# Altium PCB master.PcbDoc (part 8 of 10) (continued)
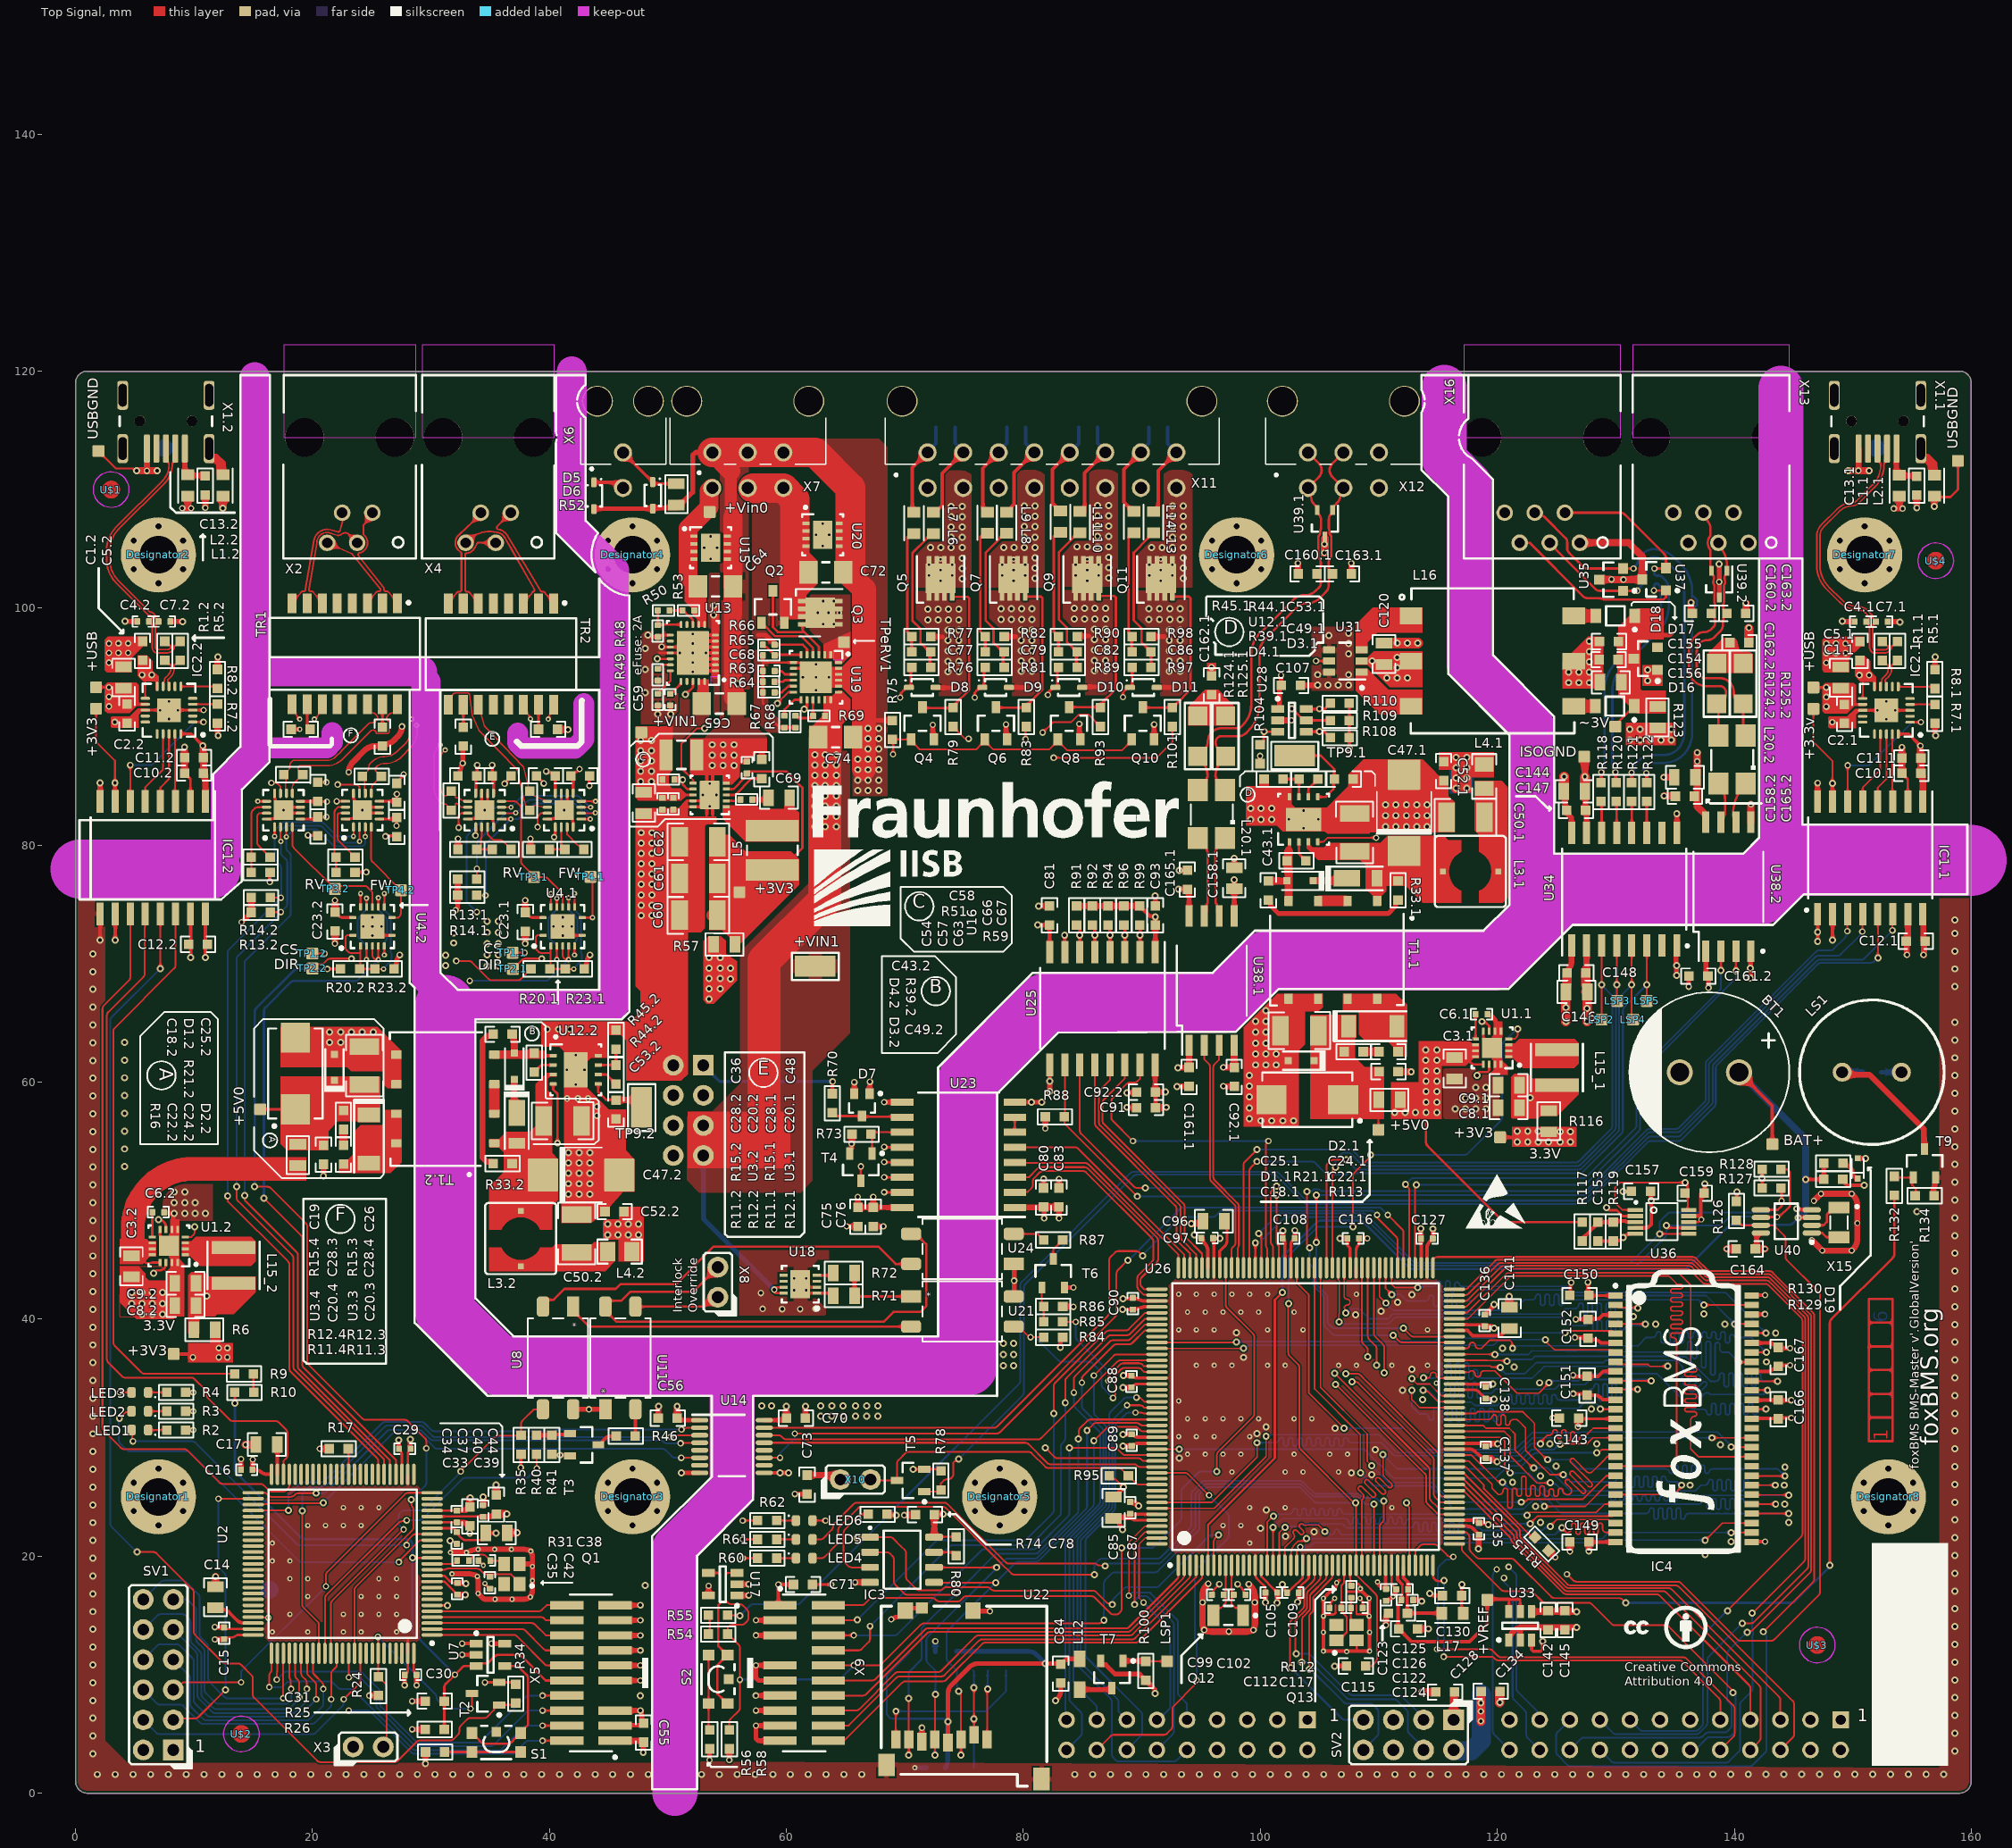
[diagram p0: Top Signal view]
## Nets (pads, with @x,y where several pads share a name; then routed paths per layer and width w, separated by ;. In a path a pad name is that pad's centre, name@x,y a point inside that pad or via, vN(x,y) a via of type N, cw(c..) or ccw(c..) an arc to the next point about the centre after c; other vN are vias at no path point) (continued)
  Bottom Signal w0.15: v1(86.801,14.591) 86.801,17.723 cw(c87.176,17.723) 86.911,17.988 87.457,18.534 cw(c87.722,18.269) 87.722,18.644 91.111,18.644 ccw(c91.111,19.019) 91.376,18.753 94.734,22.111 ccw(c94.468,22.376) 94.843,22.376 94.843,25.074 cw(c95.218,25.074) 94.953,25.339 95.347,25.733 cw(c95.612,25.467) 95.612,25.842 103.146,25.842 cw(c103.146,25.467) 103.413,25.731 104.518,24.626 ccw(c104.783,24.892) 104.783,24.517 v1(108.03,24.517) ; v1(102.387,41.326) 102.387,45.215 cw(c102.762,45.215) 102.497,45.48 104.692,47.674 cw(c104.956,47.409) 104.956,47.784 v1(107.827,47.784) ; v1(109.3,53.875) 117.245,53.875 ccw(c117.245,54.25) 117.51,53.985 120.29,56.765 ccw(c120.025,57.03) 120.4,57.03 120.4,63.095 cw(c120.775,63.095) 120.51,63.36 121.538,64.388 cw(c121.803,64.122) 121.731,64.49 v1(121.732,64.491)
  Bottom Signal w0.152: v4(56.069,9.568) 56.071,9.569 cw(c56.221,9.219) 56.222,9.6 64.347,9.6 ccw(c64.347,9.981) 64.616,9.712 65.642,10.737 ccw(c65.372,11.006) v4(65.69,10.796)
MCU_0_RTC_ALARM_OUT: U26.8
MCU_0_SWCLK: U26.137 X9.4 | length 44.5
  Top Signal w0.152: X9.4@63.535,14.591 65.816,14.591 ccw(c65.816,14.972) 65.954,14.616 v1(65.972,14.624) ; v1(82.575,32.05) 82.575,34.374 cw(c82.956,34.374) 82.687,34.644 86.965,38.922 cw(c87.234,38.653) 87.234,39.034 88.608,39.034 ccw(c88.608,39.415) 88.878,39.145 90.266,40.534 U26.137@91.072,40.534
  Bottom Signal w0.152: v1(65.972,14.624) 72.579,21.231 cw(c72.849,20.962) 72.849,21.343 80.023,21.343 ccw(c80.023,21.724) 80.293,21.454 82.463,23.625 ccw(c82.194,23.894) 82.575,23.894 v1(82.575,32.05)
MCU_0_SWDIO: U26.124 X9.2 | length 62.8
  Top Signal w0.152: X9.2@63.535,15.861 66.347,15.861 ccw(c66.347,16.241) 66.616,15.972 67.028,16.384 cw(c67.297,16.116) 67.297,16.496 72.283,16.496 cw(c72.283,16.116) 72.552,16.384 72.646,16.289 ccw(c72.915,16.558) 72.915,16.178 74.44,16.178 ccw(c74.44,16.558) 74.709,16.289 74.937,16.517 cw(c75.206,16.249) 75.206,16.629 76.688,16.629 cw(c76.688,16.249) 76.705,16.629 76.777,16.625 ccw(c76.794,17.005) 76.793,16.625 85.738,16.625 cw(c85.738,16.245) 86.006,16.514 87.312,15.208 ccw(c87.581,15.477) 87.581,15.097 87.837,15.097 ccw(c87.837,15.477) 88.106,15.208 88.172,15.274 ccw(c87.903,15.543) 88.283,15.543 v1(88.283,20.686) ; v1(96.335,27.14) 96.335,28.549 cw(c96.715,28.549) 96.446,28.818 99.387,31.758 ccw(c99.118,32.027) 99.498,32.027 99.498,38.493 ccw(c99.118,38.493) 99.386,38.762 97.184,40.965 cw(c97.453,41.233) 97.073,41.233 U26.124@97.073,44.334
  Bottom Signal w0.152: v1(88.283,20.686) 90.766,20.686 ccw(c90.766,21.066) 91.035,20.797 93.232,22.994 ccw(c92.963,23.263) 93.343,23.263 93.343,25.482 cw(c93.723,25.482) 93.455,25.751 94.732,27.029 cw(c95.001,26.76) 95.001,27.14 v1(96.335,27.14)
MCU_0_SWO: U26.161 X9.6 | length 37.6
  Top Signal w0.152: X9.6@63.535,13.321 v4(65.675,13.321) ; v1(83.872,29.139) 87.686,29.139 cw(c87.686,28.758) 87.956,29.027 cw(c87.688,28.756) 87.959,29.024 88.338,28.645 ccw(c88.607,28.915) 88.607,28.534 U26.161@91.072,28.534
  Bottom Signal w0.152: v4(65.675,13.321) 69.12,13.321 ccw(c69.12,13.702) 69.39,13.432 76.431,20.473 cw(c76.7,20.204) 76.7,20.585 80.822,20.585 ccw(c80.822,20.966) 81.091,20.696 83.76,23.366 ccw(c83.491,23.635) 83.872,23.635 v1(83.872,29.139)
MCU_0_TDI: U26.138 X9.8 | length 46.4
  Top Signal w0.152: X9.8@63.535,12.051 66.083,12.051 ccw(c66.083,12.432) 66.353,12.162 66.943,12.753 ccw(c66.674,13.022) 67.055,13.022 v2(67.055,14.09) ; v1(83.525,32.944) 83.525,34.768 cw(c83.906,34.768) 83.637,35.037 87.128,38.528 cw(c87.397,38.259) 87.397,38.64 88.717,38.64 ccw(c88.717,39.021) 88.986,38.751 90.268,40.034 U26.138@91.273,40.034
  Bottom Signal w0.152: v2(67.055,14.09) 73.781,20.816 cw(c74.05,20.547) 74.05,20.928 80.429,20.928 ccw(c80.429,21.309) 80.699,21.039 83.044,23.384 ccw(c82.774,23.654) 83.155,23.654 83.155,29.242 cw(c83.536,29.242) 83.267,29.511 83.413,29.658 ccw(c83.144,29.927) 83.525,29.927 v1(83.525,32.944)
MCU_1_ISO_EN: R109.1 U12.2.4 U28.5 | length 116.8
  Top Signal w0.2: U12.2.4@40.314,59.844 40.314,59.38 40.676,59.018 v2(40.676,54.851) ; v1(102.638,91.5) 102.681,91.5 103.651,90.53 U28.5@103.859,90.53 R109.1@105.891,90.53
  Inner Signal w0.2: v2(40.676,54.851) 46.674,54.851 49.023,52.502 53.981,52.502 54.894,53.415 54.894,62.854 52.222,65.526 52.222,90.021 52.827,90.626 54.594,90.626 59.834,95.866 66.916,95.866 68.88,93.902 100.03,93.902 cw(c100.03,93.402) 100.384,93.754 v1@102.705,91.434
MCU_1_NRESET: C31.1 R10.1 R25.1 U1.2.4 U2.14 U7.3 X5.10 | length 72.5
  Top Signal w0.15: U1.2.4@9.278,46.935 9.789,46.935 9.943,47.089 ccw(c9.678,47.354) 10.053,47.354 v1(10.053,47.78)
  Top Signal w0.2: C31.1@31.121,7.765 31.121,8.899 cw(c31.621,8.899) 31.268,9.253 v2(32.015,10) 32.594,10.579 cw(c32.947,10.225) 32.644,10.623 32.778,10.725 U7.3@33.825,10.725 33.904,10.804 cw(c34.257,10.45) 33.931,10.829 34.072,10.95 34.775,10.95 35.354,11.529 cw(c35.707,11.175) 35.707,11.675 37.318,11.675 cw(c37.318,11.175) 37.672,11.528 cw(c37.321,11.172) 37.675,11.525 39.69,9.51 X5.10@41.465,9.51
  Top Signal w0.203: R10.1@13.443,33.818 13.443,32.913 v1(13.444,32.895) ; v8(28.436,19.885) ccw(c28.61,20.362) 28.61,19.854 U2.14@30.092,19.854 ; R25.1@31.121,5.384 C31.1@31.121,7.765
  Inner Signal w0.2: v1(10.053,47.78) 13.945,43.888 cw(c13.593,43.533) 14.093,43.533 14.093,33.751 cw(c13.593,33.751) 13.946,33.397 v1(13.444,32.895)
  Bottom Signal w0.203: v1(13.444,32.895) 13.444,27.338 ccw(c13.952,27.338) 13.592,26.98 18.983,21.589 ccw(c19.341,21.949) 19.341,21.441 27.94,21.441 cw(c27.94,20.937) 28.444,20.937 28.444,19.971 cw(c27.936,19.97) 28.437,19.886 v8(28.436,19.885) 28.436,13.789 ccw(c28.944,13.789) 28.585,13.43 v2(32.015,10)
MCU_1_SWCLK: U2.76 X5.4 | length 31.3
  Top Signal w0.152: v4(16.356,8.95) 16.356,9.919 cw(c16.737,9.919) 16.434,10.149 16.465,10.19 ccw(c16.162,10.42) 16.543,10.42 U2.76@16.543,11.804 ; v4(39.42,5.7) X5.4@41.465,5.7
  Bottom Signal w0.152: v4(16.356,8.95) 17.281,8.95 ccw(c17.281,9.331) 17.551,9.062 17.802,9.313 cw(c18.072,9.044) 18.072,9.425 21.467,9.425 cw(c21.467,9.044) 21.739,9.311 22.164,8.886 ccw(c22.433,9.156) 22.433,8.775 23.236,8.775 cw(c23.236,8.394) 23.507,8.661 28.42,3.749 ccw(c28.689,4.019) 28.689,3.638 35.741,3.638 ccw(c35.741,4.019) 36.011,3.749 37.85,5.588 cw(c38.12,5.319) 38.12,5.7 v4(39.42,5.7)
MCU_1_SWDIO: U2.72 X5.2 | length 33.2
  Top Signal w0.152: U2.72@14.993,14.854 ccw(c15.131,15.209) 15.131,14.828 16.252,14.828 v2(16.277,14.802) ; v4(39.42,4.43) X5.2@41.465,4.43
  Inner Signal w0.152: v2(16.277,14.802) 22.043,9.036 ccw(c22.312,9.306) 22.312,8.925 22.804,8.925 cw(c22.804,8.544) 23.075,8.812 cw(c22.806,8.542) 23.076,8.81 23.562,8.325 cw(c23.294,8.054) 23.675,8.054 23.675,7.754 cw(c23.294,7.754) 23.563,7.485 v4(23.05,6.971)
  Bottom Signal w0.152: v4(23.05,6.971) 24.646,6.971 cw(c24.646,6.59) 24.917,6.858 28.344,3.431 ccw(c28.613,3.701) 28.613,3.32 36.824,3.32 ccw(c36.824,3.701) 37.093,3.432 37.98,4.318 cw(c38.25,4.049) 38.25,4.43 v4(39.42,4.43)
MCU_1_SWO: U2.89 X5.6 | length 24.4
  Top Signal w0.152: U2.89@23.043,11.604 23.043,9.916 ccw(c23.424,9.916) v4(23.07,9.775) ; v4(39.42,6.97) X5.6@41.465,6.97
  Bottom Signal w0.152: v4(23.07,9.775) 23.817,9.775 cw(c23.817,9.394) 24.089,9.661 25.287,8.463 cw(c25.019,8.192) 25.4,8.192 25.4,7.408 ccw(c25.781,7.408) 25.512,7.138 28.584,4.066 ccw(c28.853,4.336) 28.853,3.955 35.009,3.955 ccw(c35.009,4.336) 35.278,4.067 38.07,6.858 cw(c38.339,6.589) 38.339,6.97 v4(39.42,6.97)
MCU_1_TDI: U2.77 X5.8 | length 31.8
  Top Signal w0.152: v4(16.975,9.575) 16.975,10.037 cw(c17.356,10.037) 16.98,10.1 17.009,10.271 ccw(c16.633,10.334) 17.014,10.336 17.014,11.66 cw(c17.395,11.66) 17.035,11.785 U2.77@17.042,11.803 ; v4(39.42,8.24) X5.8@41.465,8.24
  Bottom Signal w0.152: v4(16.975,9.575) 17.542,10.142 cw(c17.811,9.872) 17.811,10.253 23.939,10.253 cw(c23.939,9.872) 24.211,10.139 25.587,8.763 cw(c25.319,8.492) 25.7,8.492 25.7,7.518 ccw(c26.081,7.518) 25.812,7.249 28.677,4.384 ccw(c28.946,4.654) 28.946,4.273 33.982,4.273 ccw(c33.982,4.654) 34.252,4.384 37.996,8.128 cw(c38.265,7.859) 38.265,8.24 v4(39.42,8.24)
MCU_TO_FPGA_INTERFACE_MCU_0_CS: SV2.7 U26.24 | length 17.4
  Top Signal w0.152: v1(102.576,10.596) cw(c102.896,10.8) 102.516,10.8 102.516,14.344 cw(c102.896,14.344) 102.628,14.614 103.578,15.564 ccw(c103.31,15.832) 103.69,15.832 103.69,16.983 cw(c104.07,16.983) 103.801,17.252 104.461,17.912 ccw(c104.193,18.181) 104.573,18.181 U26.24@104.573,19.234
  Bottom Signal w0.152: v1(102.576,10.596) 106.871,6.301 ccw(c107.14,6.57) 106.996,6.218 107.065,6.19 SV2.7@108.69,6.19
MCU_TO_FPGA_INTERFACE_MCU_0_MISO: SV2.4 U26.26 | length 23.4
  Top Signal w0.152: v1@103.481,11.04 ccw(c103.142,11.214) 103.522,11.215 103.522,14.638 cw(c103.902,14.638) 103.634,14.907 104.082,15.354 ccw(c103.814,15.624) 104.194,15.624 104.194,16.586 cw(c104.574,16.586) 104.305,16.854 105.461,18.01 ccw(c105.193,18.279) 105.573,18.279 U26.26@105.573,19.234
  Bottom Signal w0.152: v1(103.48,11.04) 104.103,11.04 cw(c104.103,10.66) 104.371,10.929 107.251,8.049 ccw(c107.519,8.318) 107.519,7.938 111.271,7.938 cw(c111.271,7.558) 111.54,7.827 112.351,7.016 cw(c112.082,6.748) 112.462,6.748 112.462,5.288 ccw(c112.842,5.288) 112.573,5.02 113.659,3.933 cw(c113.39,3.665) 113.77,3.665 SV2.4@113.77,3.65
MCU_TO_FPGA_INTERFACE_MCU_0_MOSI: SV2.8 U26.27 | length 20.6
  Top Signal w0.152: v1(104.104,10.447) 104.104,14.863 cw(c104.484,14.863) 104.215,15.132 104.334,15.25 ccw(c104.066,15.519) 104.446,15.519 104.446,16.387 cw(c104.826,16.387) 104.557,16.656 105.961,18.06 ccw(c105.692,18.329) 106.072,18.329 U26.27@106.072,19.234
  Bottom Signal w0.152: v1(104.104,10.447) 104.107,10.447 cw(c104.107,10.067) 104.375,10.336 107.039,7.672 ccw(c107.307,7.941) 107.307,7.561 109.264,7.561 cw(c109.264,7.181) 109.532,7.45 109.848,7.134 cw(c109.579,6.866) 109.959,6.866 109.959,5.076 cw(c109.579,5.076) 109.847,4.808 SV2.8@108.69,3.65
MCU_TO_FPGA_INTERFACE_MCU_0_SCK: SV2.3 U26.25 | length 21.4
  Top Signal w0.152: v1(103.019,11.778) cw(c103.323,12.007) 102.943,12.007 102.943,14.414 cw(c103.323,14.414) 103.054,14.683 103.83,15.459 ccw(c103.562,15.728) 103.942,15.728 103.942,16.795 cw(c104.322,16.795) 104.053,17.064 104.961,17.972 ccw(c104.692,18.241) 105.072,18.241 U26.25@105.072,19.234
  Bottom Signal w0.152: v1(103.019,11.778) 103.953,11.778 cw(c103.953,11.398) 104.222,11.666 107.522,8.366 ccw(c107.79,8.635) 107.79,8.255 111.704,8.255 cw(c111.704,7.875) 111.973,8.143 113.658,6.458 cw(c113.39,6.189) 113.77,6.191 SV2.3@113.77,6.19
MCU_TO_MCU_INTERFACE_MCU_0_CS: U14.13 U26.163 | length 33.9
  Top Signal w0.152: U14.13@58.125,29.573 80.155,29.573 cw(c80.155,29.192) 80.426,29.46 82.024,27.861 ccw(c82.294,28.131) 82.294,27.75 89.33,27.75 cw(c89.33,27.369) 89.592,27.645 89.599,27.638 ccw(c89.861,27.915) 89.861,27.534 U26.163@91.273,27.534
MCU_TO_MCU_INTERFACE_MCU_0_MISO: U14.11 U26.94 | length 69.2
  Top Signal w0.152: U14.11@58.125,28.303 ccw(c58.183,28.68) 58.183,28.299 59.4,28.299 cw(c59.4,27.918) 59.431,28.297 59.457,28.295 v2(59.458,28.294) ; v2(60.7,30.35) 77.74,30.35 ccw(c77.74,30.731) 78.01,30.461 87.743,40.195 ccw(c87.474,40.464) 87.855,40.464 87.855,43.869 cw(c88.236,43.869) 87.966,44.139 v1(88.813,44.985) ; v4(110.756,48.793) 111.959,47.59 cw(c111.692,47.318) 112.073,47.318 U26.94@112.073,44.334
  Bottom Signal w0.152: v2(59.458,28.294) 59.467,28.303 59.467,28.692 60.588,29.813 ccw(c60.319,30.083) 60.7,30.083 v2(60.7,30.35) ; v1(88.813,44.985) ccw(c88.736,45.359) 89.006,45.09 93.221,49.305 cw(c93.49,49.035) 93.49,49.416 109.975,49.416 cw(c109.975,49.035) 110.246,49.302 v4(110.756,48.793)
MCU_TO_MCU_INTERFACE_MCU_0_MOSI: U14.15 U26.95 | length 67.6
  Top Signal w0.152: U14.15@58.178,30.828 77.505,30.828 ccw(c77.505,31.209) 77.774,30.939 87.128,40.293 ccw(c86.858,40.562) 87.239,40.562 87.239,44.983 cw(c87.62,44.983) 87.351,45.252 87.729,45.63 cw(c87.998,45.36) 87.998,45.741 89.52,45.741 cw(c89.52,45.36) 89.792,45.627 v1(90.079,45.34) ; v4(109.85,48.793) 109.85,48.731 ccw(c110.231,48.731) 109.962,48.461 111.459,46.964 cw(c111.191,46.693) 111.572,46.693 U26.95@111.572,44.334
  Bottom Signal w0.152: v1(90.079,45.34) cw(c90.453,45.268) 90.185,45.538 93.175,48.528 cw(c93.445,48.259) 93.445,48.64 95.979,48.64 ccw(c95.979,49.021) 96.249,48.751 96.55,49.052 cw(c96.819,48.783) 96.819,49.164 109.321,49.164 cw(c109.321,48.783) 109.592,49.051 cw(c109.323,48.781) 109.594,49.049 v4(109.85,48.793)
MCU_TO_MCU_INTERFACE_MCU_0_SCK: U14.14 U26.145 | length 35.8
  Top Signal w0.152: U14.14@58.125,30.208 59.323,30.208 cw(c59.323,29.827) 59.593,30.096 59.727,29.962 ccw(c59.997,30.231) 59.997,29.85 81.217,29.85 ccw(c81.217,30.231) 81.487,29.962 87.947,36.422 cw(c88.217,36.153) 88.217,36.534 U26.145@91.072,36.534
MCU_TO_MCU_INTERFACE_MCU_1_CS: U2.51 U14.4 | length 40.5
  Top Signal w0.152: U2.51@14.993,25.354 16.014,25.354 16.245,25.122 ccw(c16.514,25.392) 16.514,25.011 18.175,25.011 ccw(c18.175,25.392) 18.445,25.123 18.525,25.203 cw(c18.794,24.934) 18.794,25.315 v1(20.32,25.315) ; v2(51.073,29.525) v2(51.073,29.525) cw(c51.207,29.168) 51.207,29.549 52.542,29.549 ccw(c52.542,29.93) 52.656,29.567 U14.4@52.675,29.573
  Bottom Signal w0.152: v1(20.32,25.315) 20.889,25.315 ccw(c20.889,25.696) 21.158,25.426 26.263,30.531 cw(c26.533,30.262) 26.533,30.643 29.005,30.643 cw(c29.005,30.262) 29.275,30.53 29.919,29.886 ccw(c30.188,30.156) 30.188,29.775 49.342,29.775 cw(c49.342,29.394) 49.612,29.663 49.638,29.637 ccw(c49.908,29.906) 49.908,29.525 v2(51.073,29.525)
MCU_TO_MCU_INTERFACE_MCU_1_MISO: U2.53 U14.6 | length 40.9
  Top Signal w0.152: U2.53@14.993,24.354 U2.53@14.993,24.354 cw(c15.136,24.002) 15.137,24.382 16.093,24.382 cw(c16.324,24.08) 16.324,24.46 20.725,24.46 ccw(c20.725,24.84) 20.913,24.51 v1(20.925,24.517) ; v2(51.124,28.294) cw(c51.183,27.919) 51.183,28.299 52.617,28.299 ccw(c52.617,28.679) 52.654,28.301 U14.6@52.675,28.303
  Bottom Signal w0.152: v1(20.925,24.517) 26.672,30.264 cw(c26.941,29.995) 26.941,30.375 28.916,30.375 cw(c28.916,29.995) 29.185,30.264 30.263,29.186 ccw(c30.531,29.455) 30.531,29.075 49.518,29.075 cw(c49.518,28.695) 49.786,28.964 50.345,28.405 ccw(c50.613,28.674) 50.613,28.294 v2@51.066,28.294
MCU_TO_MCU_INTERFACE_MCU_1_MOSI: U2.54 U14.2 | length 41.9
  Top Signal w0.152: U2.54@14.993,23.854 17.92,23.854 cw(c17.92,23.473) 17.94,23.853 17.967,23.852 v1(17.968,23.851) ; v2(51.146,30.686) 51.147,30.686 ccw(c51.224,31.059) 51.438,30.744 51.583,30.843 U14.2@52.675,30.843
  Bottom Signal w0.152: v1(17.968,23.851) 17.968,25.022 cw(c18.349,25.022) 18.08,25.291 18.927,26.139 cw(c19.196,25.869) 19.196,26.25 20.758,26.25 ccw(c20.758,26.631) 21.027,26.362 25.879,31.213 cw(c26.149,30.944) 26.149,31.325 29.192,31.325 cw(c29.192,30.944) 29.464,31.211 30.014,30.661 ccw(c30.283,30.931) 30.283,30.55 40.355,30.55 ccw(c40.355,30.931) 40.527,30.591 40.636,30.646 cw(c40.807,30.305) 40.807,30.686 v2(51.146,30.686)
MCU_TO_MCU_INTERFACE_MCU_1_SCK: U2.84 U14.3 | length 50.3
  Top Signal w0.152: v1(19.131,23.825) 19.131,15.931 ccw(c19.512,15.931) 19.242,15.661 20.429,14.475 cw(c20.162,14.203) 20.543,14.203 U2.84@20.543,11.804 ; v2(50.225,30.067) ccw(c50.171,30.444) 50.353,30.109 50.449,30.162 cw(c50.632,29.827) 50.632,30.208 U14.3@52.675,30.208
  Bottom Signal w0.152: v1(19.131,23.825) 19.131,25.173 cw(c19.512,25.173) 19.242,25.442 19.516,25.716 cw(c19.785,25.446) 19.785,25.827 20.592,25.827 ccw(c20.592,26.208) 20.804,25.892 20.866,25.933 cw(c21.078,25.617) 21.016,25.993 21.078,26.003 ccw(c21.015,26.379) 21.284,26.109 26.1,30.925 cw(c26.37,30.656) 26.37,31.037 29.055,31.037 cw(c29.055,30.656) 29.327,30.923 30.089,30.161 ccw(c30.358,30.431) 30.358,30.05 v2@50.225,30.05
Memory_SUPPLY_CONTROL: U26.33
Memorycard_SUPPLY: C84.2 C181.1 L12.1 R138.2 R139.2 R140.2 R141.2 R143.2 U22.4 | length 39.8
  Top Signal w0.4: U22.4@73.631,4.256 73.631,8.417 cw(c74.631,8.417) 73.924,9.124 75.438,10.638 cw(c76.146,9.932) 76.146,10.932 v1(81.86,10.932) 82.857,10.932 cw(c82.857,9.932) 83.117,10.897 C84.2@83.155,10.886 C84.2@83.155,10.886 83.321,11.052 cw(c84.028,10.345) 84.028,11.345 L12.1@84.74,11.345
  Bottom Signal w0.152: R143.2@70.389,11.863 68.58,10.054 ccw(c68.85,9.784) 68.469,9.784 68.469,6.776 ccw(c68.85,6.776) 68.58,6.507 68.691,6.396 ccw(c68.96,6.666) 68.96,6.285 73.276,6.285 73.51,6.051 v1(73.631,6.051) v1@73.601,6.02
  Bottom Signal w0.4: C181.1@73.403,2.141 ccw(c72.601,2.738) 73.601,2.74 v1@73.601,6.02 ; R141.2@74.372,11.964 R138.2@78.522,11.964 80.414,11.964 cw(c80.414,10.964) 81.121,11.671 v1(81.86,10.932)
Memorycard_SUPPLY_CONTROL: LSP1.1 R100.1 T7.1 | length 3.7
  Top Signal w0.152: R100.1@90.328,11.128 LSP1.1@92.127,11.128
  Top Signal w0.4: T7.1@88.418,11.162 90.293,11.162 R100.1@90.328,11.128
NetC6.1_2: C6.1.2 U1.1.9 | length 2.1
  Top Signal w0.2: U1.1.9@118.157,63.645 118.157,65.727 C6.1.2@118.163,65.733
NetC6.2_2: C6.2.2 U1.2.9 | length 2.1
  Top Signal w0.2: U1.2.9@6.478,46.935 6.478,48.948 cw(c6.978,48.948) 6.481,49.001 C6.2.2@6.483,49.022
NetC14_1: C14.1 U2.73 | length 3.3
  Top Signal w0.3: C14.1@12.065,15.508 12.409,15.508 cw(c12.409,14.758) 12.94,15.287 13.655,14.572 ccw(c14.184,15.104) 14.184,14.354 U2.73@14.993,14.354
NetC17_1: C17.1 U2.49 | length 2.2
  Top Signal w0.3: U2.49@17.042,26.904 C17.1@17.042,29.063
NetC19_1: C19.1 TR1.10 | length 1.9
  Top Signal w0.2: C19.1@19.5,89.957 19.553,90.01 TR1.10@19.553,91.877
NetC24.1_1: C24.1.1 R21.1.2 | length 1.3
  Top Signal w0.6: R21.1.2@108.682,62.57 C24.1.1@110.015,62.57
NetC24.1_2: C24.1.2 D2.1.2 T1.1.7 T1.1.8
NetC24.2_1: C24.2.1 R21.2.2 | length 1.3
  Top Signal w0.6: C24.2.1@22.612,54.678 R21.2.2@22.612,56.012
NetC24.2_2: C24.2.2 D2.2.2 T1.2.7 T1.2.8
NetC26_2: C26.2 TR1.15 | length 1.9
  Top Signal w0.2: C26.2@25.903,89.957 TR1.15@25.903,91.877
NetC36_1: C36.1 TR2.10 | length 1.9
  Top Signal w0.2: C36.1@32.725,89.957 TR2.10@32.725,91.852
NetC38_1: C38.1 Q1.3 R31.2 | length 3.3
  Top Signal w0.152: R31.2@33.201,19.628 cw(c33.538,19.453) 33.269,19.721 33.282,19.734 cw(c33.551,19.466) 33.311,19.76 33.415,19.845 ccw(c33.175,20.14) 33.444,19.871 33.581,20.008 cw(c33.85,19.74) 33.85,20.12 34.366,20.12 cw(c34.366,19.74) 34.634,20.009 C38.1@35.015,19.628 35.036,19.616 Q1.3@36.16,19.616
NetC43.1_1: C43.1.1 R33.1.1 | length 12.2
  Top Signal w0.4: C43.1.1@100.665,75.375 100.865,75.175 100.865,74.9 101.54,74.225 110.775,74.225 111.419,74.869 111.419,75.175 R33.1.1@111.619,75.375
NetC43.1_2: C43.1.2 D4.1.2 R39.1.2 T1.1.4 U12.1.1 | length 7.4
  Top Signal w0.3: R39.1.2@102.243,78.672 102.382,78.811 R39.1.2@102.393,78.822 ; 102.45,79.115 U12.1.1@102.45,80.272
  Top Signal w0.5: C43.1.2@100.648,76.967 C43.1.2@100.665,76.985 ; T1.1.4@102.277,75.407 T1.1.4@102.382,75.302
  Top Signal w0.6: C43.1.2@100.665,76.975 102.241,76.975 D4.1.2@102.25,76.985
  Top Signal w0.7: T1.1.4@102.382,75.329 102.382,78.811 102.382,79.55
NetC43.2_1: C43.2.1 R33.2.1 | length 12.1
  Top Signal w0.5: R33.2.1@35.25,53.125 35.1,53.275 34.695,53.275 34.35,53.62 34.35,63.499 34.747,63.896 35.1,63.896 C43.2.1@35.25,64.046
NetC43.2_2: C43.2.2 D4.2.2 R39.2.2 T1.2.4 U12.2.1 | length 6.8
  Top Signal w0.3: 39.443,62.312 39.512,62.244 U12.2.1@40.314,62.244
  Top Signal w0.5: C43.2.2@37.01,64.046 C43.2.2@37.027,64.028
  Top Signal w0.6: C43.2.2@36.85,64.046 36.95,63.946 36.95,63.454 37.033,63.371 D4.2.2@37.033,62.379
  Top Signal w0.7: T1.2.4@35.344,62.312 39.443,62.312
NetC47.1_1: C47.1.1 C49.1.2 D3.1.2 L3.1.2 R33.1.2 T1.1.1 U12.1.3 | length 1.9
  Top Signal w0.5: D3.1.2@109.846,77.198 109.846,77.015 110.046,76.815 R33.1.2@111.481,76.815
NetC47.2_1: C47.2.1 C49.2.2 D3.2.2 L3.2.2 R33.2.2 T1.2.1 U12.2.3 | length 1.9
  Top Signal w0.5: R33.2.2@36.858,53.213 36.858,54.647 37.058,54.847 D3.2.2@37.24,54.847
NetC48_2: C48.2 TR2.15 | length 1.9
  Top Signal w0.2: C48.2@39.05,89.957 39.075,89.982 TR2.15@39.075,91.852
NetC50.1_2: C50.1.2 L3.1.1 L4.1.2
NetC50.2_2: C50.2.2 L3.2.1 L4.2.2
NetC53.1_1: C53.1.1 TP9.1.1 U12.1.5 | length 7.1
  Top Signal w0.2: TP9.1.1@102.9,87.55 105.1,87.55 106.234,86.416 C53.1.1@106.234,85.569 ; U12.1.5@104.85,84.072 105.532,84.072 106.172,84.712 C53.1.1@106.172,85.569
NetC53.2_1: C53.2.1 TP9.2.1 U12.2.5 | length 4.9
  Top Signal w0.2: U12.2.5@44.114,59.844 44.114,59.162 44.754,58.522 C53.2.1@45.612,58.522 ; TP9.2.1@47.145,58.487 TP9.2.1@47.775,57.857
  Top Signal w0.5: C53.2.1@45.612,58.487 TP9.2.1@47.145,58.487
NetC59_1: C59.1 U13.20 | length 1.4
  Top Signal w0.2: C59.1@50.319,92.781 50.598,93.06 50.598,93.133 51.102,93.637 U13.20@51.102,93.817
NetC67_2: C67.2 U16.3 | length 3.6
  Top Signal w0.2: U16.3@54.921,84.236 55.676,84.236 57.061,85.62 C67.2@57.915,85.62
NetC68_1: C68.1 U19.9 | length 1.7
  Top Signal w0.2: C68.1@59.007,94.7 59.035,94.672 59.608,94.672 59.864,94.416 U19.9@60.587,94.416
NetC69_1: C69.1 L5.1 U16.1 | length 1.7
  Top Signal w0.8: 60.208,82.296 60.259,82.346 60.259,82.544 60.272,82.557 C69.1@60.272,84.007
NetC69_2: C69.2 R59.2 | length 1.4
  Top Signal w0.4: R59.2@57.126,83.845 58.309,83.845 C69.2@58.472,84.007
NetC77_1: C77.1 L6.2 R77.1 | length 10.6
  Top Signal w0.2: C77.1@70.501,96.274 70.551,96.224 R77.1@70.551,97.574 ; R77.1@70.583,97.6 70.201,97.981 70.201,105.872 70.201,105.989 70.551,106.339 L6.2@70.651,106.339
NetC79_1: C79.1 L8.2 R82.1 | length 10.5
  Top Signal w0.2: C79.1@76.78,96.3 R82.1@76.78,97.6 76.373,98.007 76.373,105.898 76.373,106.015 76.723,106.365 L8.2@76.823,106.365
NetC82_1: C82.1 L10.2 R90.1 | length 10.5
  Top Signal w0.2: R90.1@82.902,97.574 82.952,97.524 C82.1@82.952,96.3 ; R90.1@82.952,97.6 82.568,97.984 82.568,105.947 82.568,106.064 82.918,106.414 L10.2@83.018,106.414
NetC86_1: C86.1 L13.2 R98.1 | length 10.8
  Top Signal w0.2: C86.1@88.871,96.6 C86.1@89.125,96.347 ; C86.1@89.125,96.3 C86.1@89.125,96.347 ; C86.1@89.171,96.3 C86.1@89.125,96.347 ; L13.2@89.321,106.365 89.221,106.365 88.871,106.015 88.871,105.898 88.871,97.9 89.125,97.646 C86.1@89.125,96.347
NetC96_1: C96.1 U26.125 | length 4.7
  Top Signal w0.25: U26.125@96.572,44.334 96.572,45.741 96.995,46.164 ccw(c96.554,46.606) 97.179,46.607 97.179,48.26 C96.1@97.179,48.853
NetC117_1: C117.1 Q13.3 R112.2 | length 2.6
  Top Signal w0.152: R112.2@107.681,16.48 107.638,16.437 C117.1@107.638,15.634 107.638,14.593 108.038,14.193 Q13.3@108.124,14.193
NetC141_1: C141.1 U26.81 | length 4.7
  Top Signal w0.3: U26.81@116.573,39.034 117.498,39.034 117.92,38.611 120.259,38.611 C141.1@120.847,39.198
NetC162.1_1: C162.1.1 R124.1.1 R125.1.2
NetC162.2_1: C162.2.1 R124.2.1 R125.2.2
NetC177_1: C177.1 L14.1 X11.8 | length 8.2
  Top Signal w0.3: L14.1@91.025,108.175 91.375,108.525 91.375,111.604 X11.8@92.913,113.142
  Bottom Signal w0.3: C177.1@92.185,115.265 92.185,113.879 92.913,113.151 X11.8@92.913,113.142
NetC177_2: C177.2 L13.1 X11.7 | length 8.4
  Top Signal w0.3: L13.1@89.321,108.165 89.221,108.165 88.921,108.465 88.921,108.504 88.476,108.949 88.476,111.705 X11.7@89.913,113.142
  Bottom Signal w0.3: X11.7@89.913,113.142 89.913,113.258 90.585,113.93 C177.2@90.585,115.265
NetC178_1: C178.1 L11.1 X11.6 | length 8.2
  Top Signal w0.3: L11.1@85.175,108.1 85.175,111.404 X11.6@86.913,113.142
  Bottom Signal w0.3: C178.1@86.268,115.265 86.268,113.93 86.913,113.284 X11.6@86.913,113.142
NetC178_2: C178.2 L10.1 X11.5 | length 8.9
  Top Signal w0.3: L10.1@82.727,108.54 L10.1@82.727,108.49 ; X11.5@83.913,113.142 82.463,111.692 82.463,108.825 82.727,108.561 L10.1@82.727,108.49 ; L10.1@82.727,108.49 L10.1@83.027,108.19 ; L10.1@82.727,108.49 L10.1@83.027,108.19 ; L10.1@83.027,108.19 L10.1@83.127,108.19 L10.1@83.027,108.19
  Bottom Signal w0.3: X11.5@83.913,113.142 84.668,113.896 C178.2@84.668,115.265
NetC179_1: C179.1 L9.1 X11.4 | length 8.4
  Top Signal w0.3: L9.1@78.63,108.2 78.773,108.2 78.977,108.404 78.977,108.547 79.205,108.775 79.205,111.434 X11.4@80.913,113.142
  Bottom Signal w0.3: C179.1@80.19,115.265 80.19,113.884 80.913,113.161 X11.4@80.913,113.142
NetC179_2: C179.2 L8.1 X11.3 | length 8.2
  Top Signal w0.3: L8.1@76.955,108.104 76.875,108.104 76.575,108.404 76.575,111.804 X11.3@77.913,113.142
  Bottom Signal w0.3: X11.3@77.913,113.142 77.913,113.253 78.59,113.93 C179.2@78.59,115.265
NetC180_1: C180.1 L7.1 X11.2 | length 8.4
  Top Signal w0.3: L7.1@72.6,108.1 73.15,108.65 73.15,111.379 X11.2@74.913,113.142
  Bottom Signal w0.3: C180.1@74.221,115.265 74.221,113.915 74.913,113.223 X11.2@74.913,113.142
NetC180_2: C180.2 L6.1 X11.1 | length 8.2
  Top Signal w0.3: L6.1@70.621,107.975 70.621,111.85 X11.1@71.913,113.142 ; L6.1@70.705,108.113 L6.1@70.805,108.113
  Bottom Signal w0.3: X11.1@71.913,113.142 71.913,113.192 72.621,113.9 C180.2@72.621,115.265
NetD3.1_1: D3.1.1 D4.1.1 | length 2.9
  Top Signal w0.5: D3.1.1@107.083,76.985 D3.1.1@107.296,77.198
  Top Signal w0.6: D4.1.1@104.45,76.985 D3.1.1@107.083,76.985
NetD3.2_1: D3.2.1 D4.2.1 | length 2.9
  Top Signal w0.5: D4.2.1@37.027,60.244 37.027,57.61 D3.2.1@37.24,57.397
NetD5_1: D5.1 U11.3 X6.2 X8.1 | length 96.4
  Top Signal w0.2: U11.3@47.259,41.055 53.051,41.055 53.847,41.851 X8.1@54.212,41.851
  Top Signal w0.3: D5.1@43.754,110.609 45.731,110.609 X6.2@46.2,110.14
  Inner Signal w0.2: X6.2@46.2,110.14 42.745,106.685 42.745,101.956 46.431,98.27 46.431,67.695 39.25,60.513 39.25,46.475 40.938,44.787 45.563,44.787 48.499,41.851 X8.1@54.212,41.851
NetD7_3: D7.3 R70.1 U23.10 | length 6.1
  Top Signal w0.2: R70.1@63.875,57.421 64.159,57.137 D7.3@66.375,57.137 ; D7.3@66.421,57.091 U23.10@69.729,57.091
  Top Signal w0.4: D7.3@66.375,57.137 D7.3@66.421,57.091 ; U23.10@69.729,57.091 U23.10@69.775,57.045
NetD16_2: D16.2 L16.4 | length 1.7
  Top Signal w1: L16.4@126.449,91.728 D16.2@128.143,91.728
NetD17_2: D17.2 L16.6 | length 1.7
  Top Signal w1: L16.6@126.449,99.348 D17.2@128.195,99.348
NetD19_2: D19.2 R130.1 | length 1.9
  Top Signal w0.3: R130.1@149.159,53.158 149.403,53.158 149.969,52.592 149.969,52.213 D19.2@150.321,51.862
NetIC2.1_4: IC2.1.4 R7.1.1 | length 2.1
  Top Signal w0.152: IC2.1.4@154.835,91.875 156.916,91.875 R7.1.1@156.923,91.882
NetIC2.1_6: IC2.1.6 R8.1.1 | length 3.2
  Top Signal w0.152: IC2.1.6@153.835,93.375 156.756,93.375 R8.1.1@156.923,93.207
NetIC2.2_4: IC2.2.4 R7.2.1 | length 2.1
  Top Signal w0.152: IC2.2.4@9.889,91.891 11.97,91.891 R7.2.1@11.978,91.899
NetIC2.2_6: IC2.2.6 R8.2.1 | length 3.2
  Top Signal w0.152: IC2.2.6@8.889,93.391 11.81,93.391 R8.2.1@11.978,93.223
NetIC3_3: IC3.3 R74.1 | length 7.6
  Top Signal w0.152: R74.1@66.891,23.532 66.217,23.532 64.94,22.255 ccw(c65.209,21.986) 64.829,21.986 64.829,19.717 ccw(c65.209,19.717) 64.94,19.449 65.219,19.17 ccw(c65.487,19.439) 65.487,19.059 IC3.3@67.055,19.059
NetIC3_7: IC3.7 R80.1 | length 1.6
  Top Signal w0.2: IC3.7@72.495,20.329 R80.1@74.135,20.329
NetL2.1_2: L2.1.2 X1.1.6 X1.1.7 X1.1.8 X1.1.9 | length 3
  Top Signal w0.8: X1.1.6@155.721,113.448 155.721,112.673 155.771,112.623 156.264,112.623 156.732,112.154 156.732,111.284 156.782,111.234 L2.1.2@156.882,111.234